# Altium PCB ZHUKONG.PcbDoc
Units mil, origin at the board's own origin, x right, y up, seen from the top; angles counter-clockwise.
Board outline 3784.65 x 1996.93 mil, 2 copper layers (Top Layer, Bottom Layer); 58 components, 46 nets, 206 pads, 8 vias.
Unrouted connection lines stored in the file: 3.
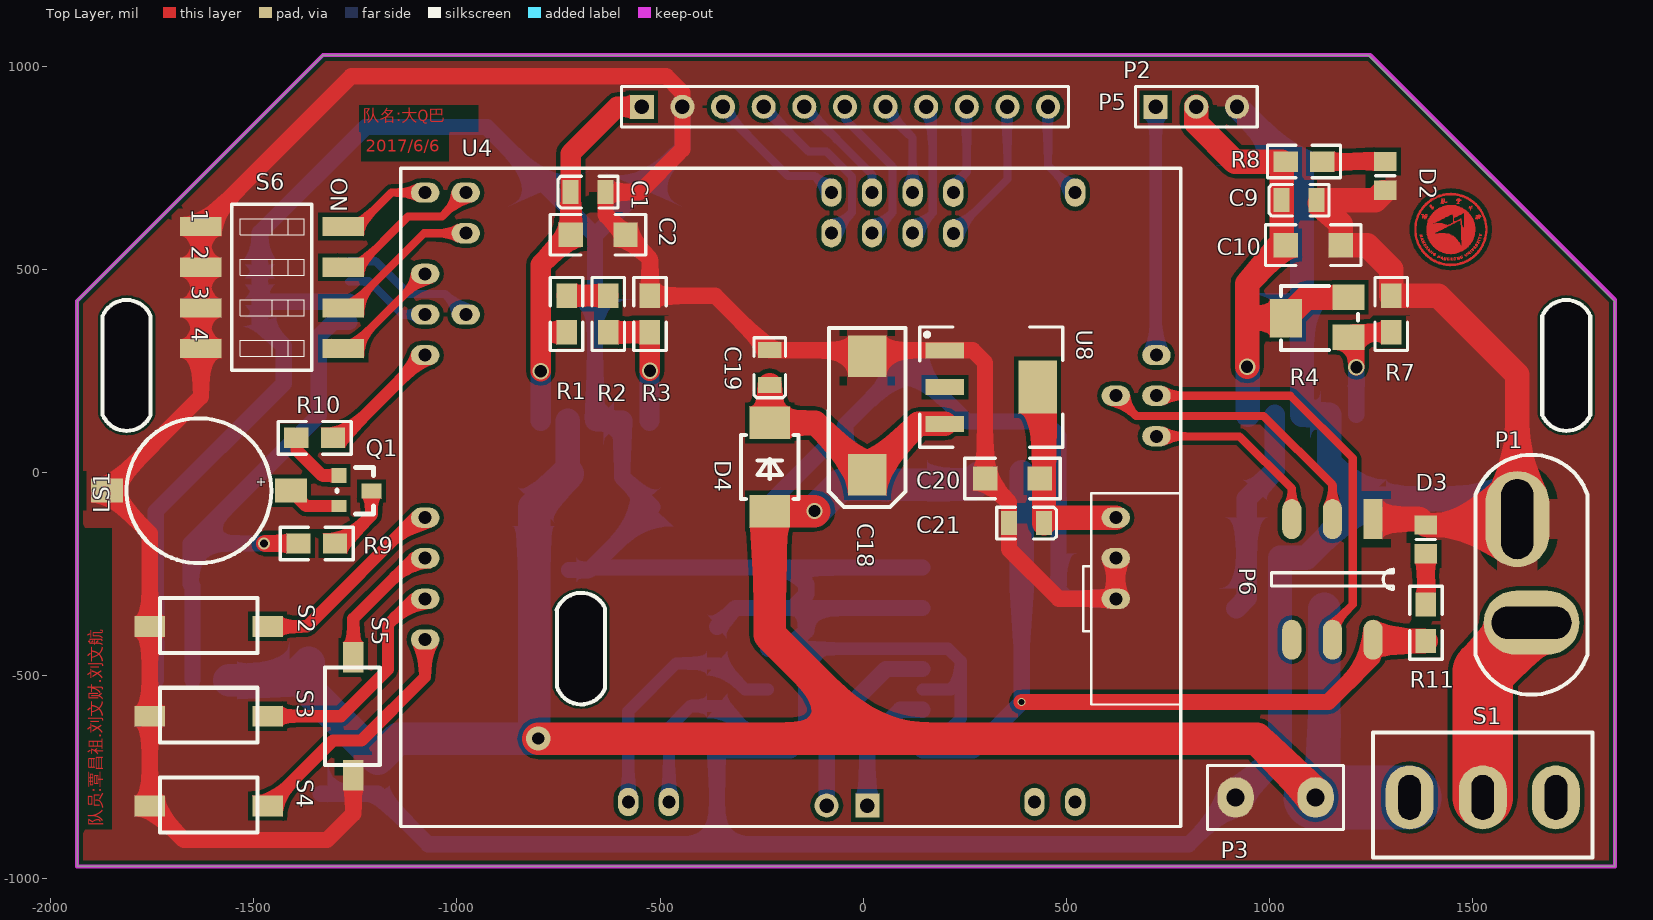
[diagram p0: Top Layer view]
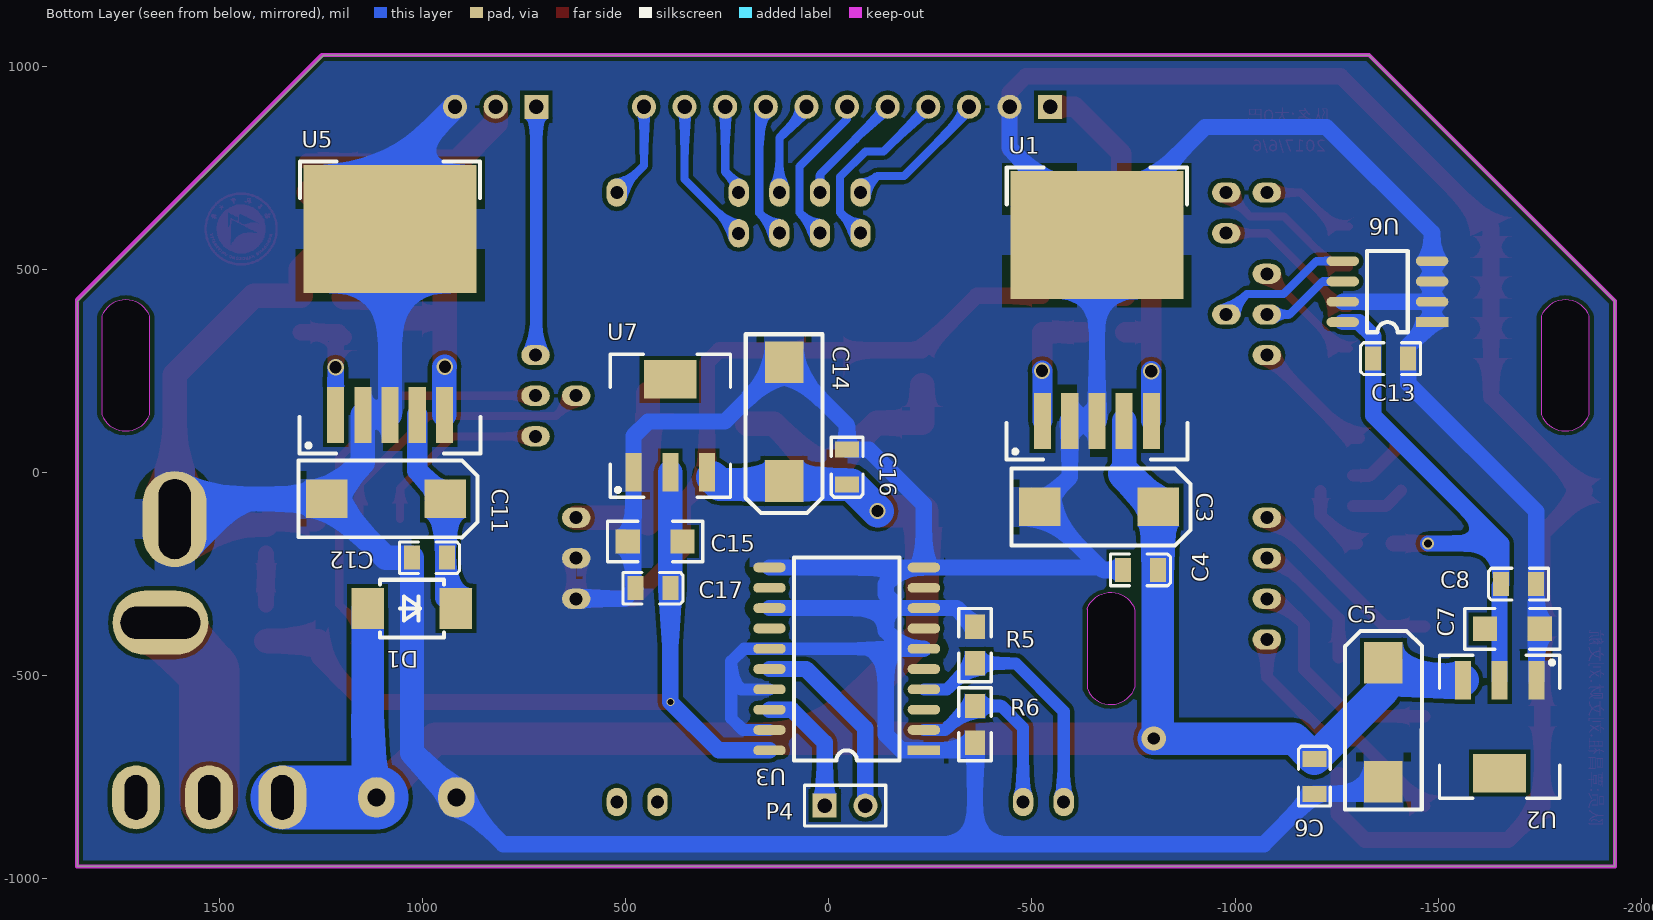
[diagram p1: Bottom Layer view, seen from below]
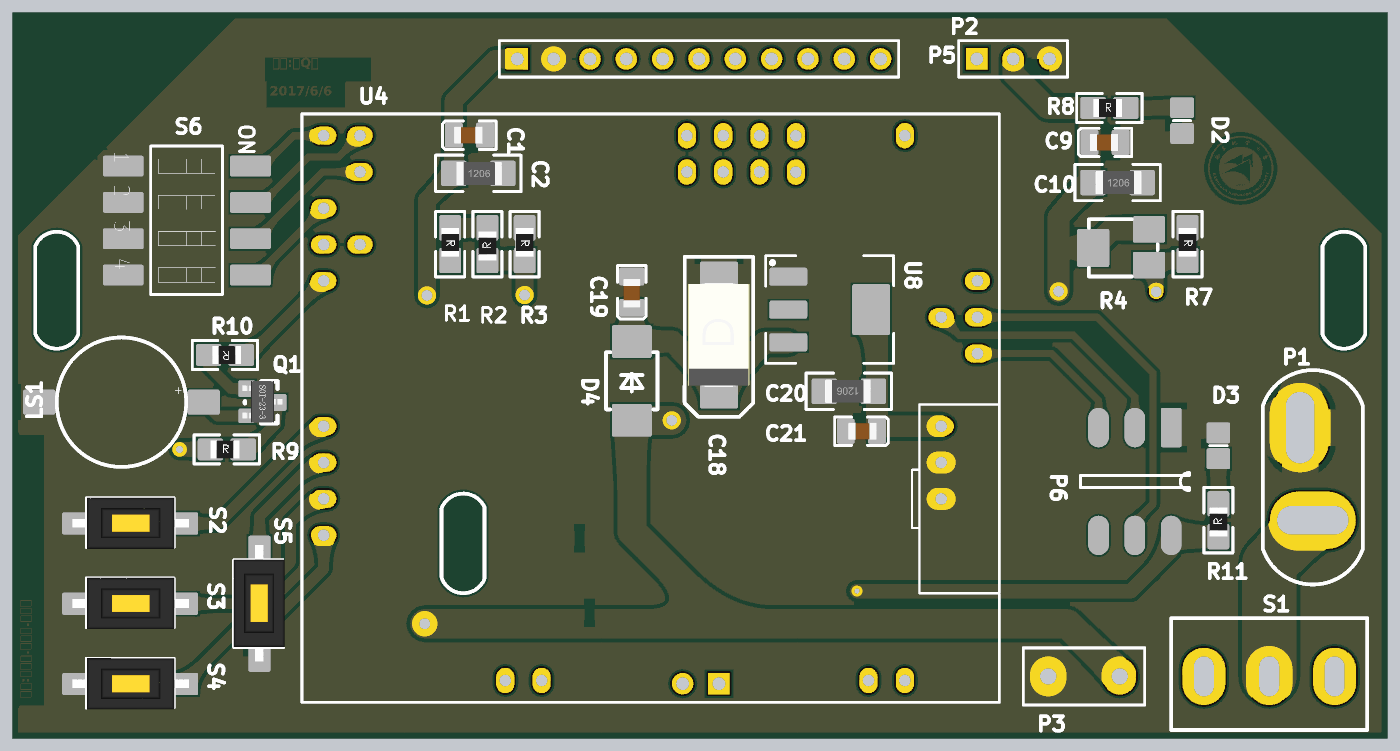
[diagram p2: 3D render of the assembled board from above, using the file's embedded part models]
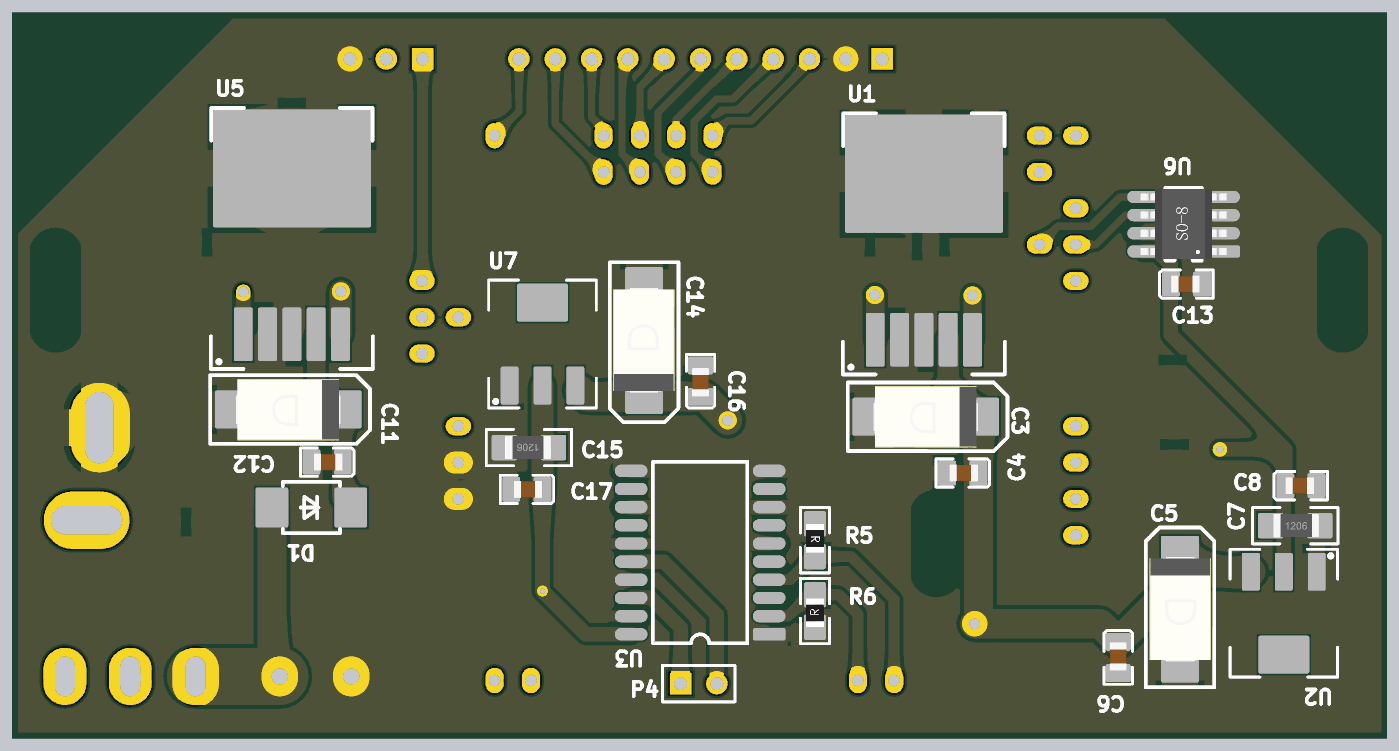
[diagram p3: 3D render of the assembled board from below, using the file's embedded part models]

## Layer stack, top to bottom
Top Solder: solder mask 0.4, Solder Resist, Dk 3.5
Top Layer: signal copper 1.4
Dielectric 1: dielectric 12.6, FR-4, Dk 4.8
Bottom Layer: signal copper 1.4
Bottom Solder: solder mask 0.4, Solder Resist, Dk 3.5

## Board outline
-1934.65,-970 1850,-970 1850,420.79 1849.21,420.79 1243.07,1026.93 -1329.61,1026.93 -1934.65,421.89
cut-out: -1871.85,141.57 -1871.85,385 -1872.11,385 cw(c-1813.06,360.39) -1754,385 -1753.74,385 -1753.74,141.57 cw(c-1812.8,166.18)
cut-out: -753.74,-527.72 -753.74,-338.99 -754.67,-338.99 cw(c-694.04,-360.91) -635,-335 -635.63,-335 -635.63,-531.65 cw(c-693.97,-508.13)
cut-out: 1671.46,141.57 1671.46,385 cw(c1730.51,360.39) 1789.57,385 1789.57,141.57 cw(c1730.51,166.18)

## Design rules (kind name [scope] priority, off if disabled: settings)
Clearance [All] p1: gap=10
HoleSize [All] p1: absolutevalues=TRUE maxlimit=500 minlimit=6 maxpercent=80.000 minpercent=20.000
MinimumSolderMaskSliver [All] p1: minsoldermaskwidth=2
PasteMaskExpansion [All] p1: expansion=5
PlaneClearance [All] p1: clearance=30
PlaneConnect [All] p1: planeconnectstyle=Relief reliefexpansion=30 reliefentries=4 reliefconductorwidth=100 reliefairgap=20
PolygonConnect [All] p1: connectstyle=Relief reliefconductorwidth=100 reliefentries=4 polygonreliefangle="90 Angle" airgapwidth=20
RoutingVias [All] p1: holewidth=15 width=20 viastyle="Through Hole" minholewidth=6 minwidth=6 maxholewidth=200 maxwidth=200
SilkToSilkClearance [All] p1: silktosilkclearance=0
SilkToSolderMaskClearance [IsPad] p1: minsilkscreentomaskgap=0 clearancetoexposedcopper=TRUE
SolderMaskExpansion [All] p1: expansion=5
Width GND [InNet('GND')] p1: maxlimit=200 minlimit=30 preferedwidth=100
Width power1 [InNet('NetC3_1')] p2: maxlimit=200 minlimit=40 preferedwidth=100
Width power [InNet('NetP1_1')] p3: maxlimit=200 minlimit=40 preferedwidth=150
Width [All] p4: maxlimit=196.85 minlimit=6 preferedwidth=20
23 further rules are at their usual default settings.

## Components (designator, comment, footprint, x,y, rotation, side; value= is the part's Value field where it differs from the comment)
C1 "Cap" C-0805 -720,690 r0 top
C2 "Cap Pol2" 1206 -720,585 r0 top
C3 "Cap Pol1" TANCAP -650,-85 r180 bottom
C4 "Cap" C-0805 -810,-240 r0 bottom
C5 "Cap Pol1" TANCAP -1365,-630 r90 bottom
C6 "Cap" C-0805 -1195,-705 r270 bottom
C7 "Cap Pol2" 1206 -1615,-385 r180 bottom
C8 "Cap" C-0805 -1655,-275 r180 bottom
C9 "Cap" C-0805 1030,670 r0 top
C10 "Cap Pol2" 1206 1040,559.57 r0 top
C11 "Cap Pol1" TANCAP 1105,-65 r180 bottom
C12 "Cap" C-0805 940,-210 r0 bottom
C13 "Cap" C-0805 -1340,280 r180 bottom
C14 "Cap Pol1" TANCAP 110,140 r270 bottom
C15 "Cap Pol2" 1206 360,-170 r0 bottom
C16 "Cap" C-0805 -45,-30 r90 bottom
C17 "Cap" C-0805 390,-285 r0 bottom
C18 "Cap Pol1" TANCAP 10,155 r270 top
C19 "Cap" C-0805 -230,215 r90 top
C20 "Cap Pol2" 1206 435,-15 r180 top
C21 "Cap" C-0805 445,-125 r180 top
D1 "SS54" DO214AA 1030,-335 r180 bottom
D2 "LED0" 6-0805_N 1285,730 r270 top
D3 "LED0" 6-0805_N 1385,-165 r90 top
D4 "SS14" DO214AA -230,10 r90 top
LS1 "Buzzer" min_bell -1635,-45 r180 top
P1 "Header 2" T型插头(公) 1645,-370 r90 top
P2 "Header 11" HDR1X11 -545,900 r0 top
P3 "Header 2" "接线柱 - min" 1015,-800 r180 top
P4 "Header 2" HDR1X2 10,-820 r180 bottom
P5 "Header 3" HDR1X3 720,900 r0 top
P6 "Header 3X2" SOP6贴片插针 1155,-265 r270 top
Q1 "NPN" SOT-23 -1170,40 r270 top
R1 "Res2" 0805 -730,395 r270 top
R2 "Res2" 0805 -627.5,385 r90 top
R3 "Res2" 0805 -525,395 r270 top
R4 "RES-ADJ" T-3224w 1060.06,379.74 r0 top
R5 "Res2" 0805 -360,-625 r90 bottom
R6 "Res2" 0805 -360,-420 r270 bottom
R7 "Res2" 0805 1300,395 r270 top
R8 "Res2" 0805 1080,765 r0 top
R9 "Res2" 0805 -1350,-175 r0 top
R10 "Res2" 0805 -1345,85 r180 top
R11 "Res2" 0805 1385,-375 r90 top
S1 "SW-SPDT" SWITCH_B 1525,-800 r0 top
S2 "SW-PB" 贴片开关 -1616,-379 r0 top
S3 "SW-PB" 贴片开关 -1616,-600 r0 top
S4 "SW-PB" 贴片开关 -1616,-821 r0 top
S5 "SW-PB" 贴片开关 -1255,-605 r90 top
S6 "SW DIP-4" SW-4P -1455,455 r270 top
U1 "LM2941" LM2941 -660,370 r180 bottom
U2 "AMS1117" AMS1117 -1651,-626 r0 bottom
U3 "SN74HC244" SO-20W -235,-686 r0 bottom
U4 "K60FX" K60_v3 -205,-75 r0 top locked
U5 "LM2941" LM2941 1080,385 r180 bottom
U6 "24C64" SO-8 -1485,370 r0 bottom
U7 "AMS1117" AMS1117 390,115 r180 bottom
U8 "SPX1117" AMS1117 315,210 r270 top

## Footprints (in the part's own frame and the unit in brackets; to place one, negate y for a bottom-side part, rotate by r counter-clockwise, add the part's x,y. Pads: shape width x height; smd on the part's side, far side on the other; paste and mask are expansions set on the pad)
6-0805_N [mm]
  rect 1.2x1.4 smd: 1(-0.9,0) 2(0.9,0)
  silkscreen extent 0,-0.6 0,0.6, body extent -1.07,-0.7 1.07,0.7, height 0.7
0805 [mil]
  rect 60x50 smd: 1(-40,0) 2(50,0)
  silkscreen extent -85,-40 95,40, body extent -39,-24 39,29, height 26
1206 [mil]
  rect 60x60 smd: 1(0,0) 2(135,0)
  silkscreen extent -50,-50 185,50, body extent 7,-32 133,32, height 23
AMS1117 [mm]
  rect 1x2.4 smd: 1(-2.3,-2.9) 2(0,-2.9) 3(2.3,-2.9)
  rect 3.3x2.4 smd: 2(0,2.9)
  silkscreen extent -3.76,-4.47 3.76,4.47, body extent -3.4,-1.9 3.4,1.9, height 3
C-0805 [mm]
  rect 1x1.5 smd: 1(0,0) 2(2.184,0)
  silkscreen extent -0.79,-0.99 2.96,0.99, body extent 0.02,-0.6 2.02,0.6, height 0.95
DO214AA [mil]
  rect 80x100 smd: 1(-105,0) 2(112,0)
  silkscreen extent -75,-71 82,71
HDR1X2 [mm] "Connector; Header; 2 Position"
  rect 1.5x1.5 hole 0.9: 1(0,0)
  round 1.5 hole 0.9: 2(2.54,0)
  silkscreen extent -1.27,-1.27 3.81,1.27
HDR1X3 [mm] "Connector; Header; 3 Position"
  rect 1.5x1.5 hole 0.9: 1(0,0)
  round 1.5 hole 0.9: 2(2.54,0) 3(5.08,0)
  silkscreen extent -1.27,-1.27 6.35,1.27
HDR1X11 [mm] "Connector; Header; 11 Position"
  rect 1.5x1.5 hole 0.9: 1(0,0)
  round 1.5 hole 0.9: 2(2.54,0) 3(5.08,0) 4(7.62,0) 5(10.16,0) 6(12.7,0) 7(15.24,0) 8(17.78,0) 9(20.32,0) 10(22.86,0) 11(25.4,0)
  silkscreen extent -1.27,-1.27 26.67,1.27
K60_v3 [mil]
  oval 50x70 hole 32: 7(-373.24,-736.23) 9(-273.24,-736.23) 27(626.76,-736.23) 29(726.76,-736.23) 63(726.77,763.78) 69(426.77,763.39) 70(426.77,663.39) 71(326.77,763.78) 72(326.77,663.78) 73(226.77,763.78) 74(226.77,663.78) 75(126.77,763.78) 76(126.77,663.78)
  oval 70x50 hole 32: 41(826.77,-236.22) 43(826.77,-136.22) 45(826.77,-36.22) 50(926.77,163.78) 51(826.77,263.78) 52(926.77,263.78) 54(926.77,363.78) 93(-773.23,763.78) 94(-873.23,763.78) 95(-773.23,663.78) 98(-873.23,563.78) 99(-773.23,463.78) 100(-873.23,463.78) 102(-873.23,363.78) 110(-873.23,-36.22) 112(-873.23,-136.22) 114(-873.23,-236.22) 116(-873.23,-336.22)
  silkscreen extent -933,-796 987,824
LM2941 [mm]
  rect 1.07x3.5 smd: 1(-3.4,-6.175) 2(-1.7,-6.175) 3(0,-6.175) 4(1.7,-6.175) 5(3.4,-6.175)
  rect 10.8x8 smd: 3(0,5.433)
  silkscreen extent -5.66,-8.6 5.66,9.65, body extent -5.21,-4.45 5.2,4.45, height 4.65
min_bell [mm]
  rect 2x1.5 smd: 1(-5.75,0) 2(5.75,0)
  silkscreen extent -4.53,-4.53 4.52,4.53
SO-8 [mil]
  rect 80x24 smd: 1(0,0)
  oval 80x24 smd: 2(0,-50) 3(0,-100) 4(0,-150) 5(220,-150) 6(220,-100) 7(220,-50) 8(220,0)
  silkscreen extent 60,-175 160,25, body extent -8,-171 228,21, height 67
SO-20W [mil]
  rect 80x24 smd: 1(1,-2)
  oval 80x24 smd: 2(1,-52) 3(1,-102) 4(1,-152) 5(1,-202) 6(1,-252) 7(1,-302) 8(1,-352) 9(1,-402) 10(1,-452) 11(381,-452) 12(381,-402) 13(381,-352) 14(381,-302) 15(381,-252) 16(381,-202) 17(381,-152) 18(381,-102) 19(381,-52) 20(381,-2)
  silkscreen extent 61,-477 321,23
SOP6贴片插针 [mm]
  rect 2.5x1.2 smd: 1(-3.81,2.54)
  oval 2.5x1.2 smd: 2(3.73,2.54) 3(-3.81,0) 4(3.73,0) 5(-3.81,-2.54) 6(3.73,-2.54)
  silkscreen extent -0.67,-3.81 0.6,3.81
SOT-23 [mil]
  rect 36x36 smd: 1(47.76,-120.28)
  rect 30x36 smd: 2(122.76,-120.28)
  rect 36x50 smd: 3(85.76,-40.28)
  silkscreen extent 28,-125 143,-35, body extent 27,-132 141,-22, height 47
SW-4P [mm]
  rect 1.2x2.6 smd: 1(-3.81,-4.45) 2(-1.27,-4.45) 3(1.27,-4.45) 4(3.81,-4.45) 5(3.81,4.45) 6(1.27,4.45) 7(-1.27,4.45) 8(-3.81,4.45)
  silkscreen extent -5.21,-2.53 5.17,2.49
SWITCH_B [mm]
  oval 3x4 hole 1.4 slot 2.8 at 90 deg: 1(-4.572,0) 2(0,0) 3(4.572,0)
  silkscreen extent -6.86,-3.75 6.86,4.06
T-3224w [mm]
  rect 2x1.6 smd: 1(3.4,-1.2) 3(3.4,1.3)
  rect 2x2.4 smd: 2(-0.5,0)
  silkscreen extent -0.8,-2 4,2
TANCAP [mm]
  rect 2.6x2.4 smd: 1(4.091,0) 2(-3.325,0)
  silkscreen extent -5.08,-2.41 6.1,2.39, body extent -3.27,-2.17 4.03,2.13, height 2.9
T型插头(公) [mm]
  oval 4x6 hole 2 slot 5 at 90 deg: 1(0,0)
  oval 6x4 hole 2 slot 5 at 0 deg: 2(6.477,0.889)
  silkscreen extent -4.5,-3.5 10.5,3.5
"接线柱 - min" [mil]
  oval 90x100 hole 45: 1(-98.43,0) 2(98.43,0)
  silkscreen extent -167,-79 167,79
贴片开关 [mm]
  rect 1.9x1.3 smd: 1(-3.556,0) 2(3.81,0)
  silkscreen extent -2.92,-1.65 3.17,1.78, body extent -3.91,-1.78 4.23,1.82, height 2.49

## Part data
C1 C4 C6 C8 C9 C12 C13 C16 C17 C19 C21: "Capacitor"
C2 C7 C10 C15 C20: "Polarized Capacitor (Axial)"
C3 C5 C11 C14 C18: "Polarized Capacitor (Radial)"
D1 D4: library part "Diode BAS16", "Silicon Switching Diode for High-Speed Switching"
D2 D3: "Typical INFRARED GaAs LED"
LS1: "Magnetic Transducer Buzzer"
P1 P3 P4: "Header, 2-Pin"
P2: "Header, 11-Pin"
P5: "Header, 3-Pin"
P6: "Header, 3-Pin, Dual row"
Q1: "NPN Bipolar Transistor"
R1 R2 R3 R5 R6 R7 R8 R9 R10 R11: "Resistor"
S1: "SPDT Subminiature Toggle Switch, Right Angle Mounting, Vertical Actuation"
S2 S3 S4 S5: "Switch"
S6: "编码开关"
U6: library part EEPROM_24C64

## Via types
v1: diameter 40, hole 30, Top Layer to Bottom Layer, 5 vias
v2: diameter 30, hole 20, Top Layer to Bottom Layer, 1 vias
v3: diameter 60, hole 30, Top Layer to Bottom Layer, 1 vias
v4: diameter 20, hole 15, Top Layer to Bottom Layer, 1 vias

## Nets (pads, with @x,y where several pads share a name; then routed paths per layer and width w, separated by ;. In a path a pad name is that pad's centre, name@x,y a point inside that pad or via, vN(x,y) a via of type N, cw(c..) or ccw(c..) an arc to the next point about the centre after c; other vN are vias at no path point)
GND: C1.2 C2.2 C3.2 C4.2 C5.2 C6.2 C7.2 C8.2 C9.2 C10.2 C11.2 C12.2 C13.2 C14.2 C15.2 C16.2 C17.2 C18.2 C19.2 C20.2 C21.2 D2.2 D3.2 LS1.2 P1.2 P2.2 P3.2 P5.3 P6.1 R3.1 R5.1 R6.1 R7.1 S2.1 S3.1 S4.1 S5.1 S6.1 S6.2 S6.3 S6.4 U1.2 U1.3 U2.1 U3.1 U3.6 U3.8 U3.10 U3.11 U3.13 U3.15 U3.17 U3.19 U4.41 U4.43 U5.2 U5.3 U6.1 U6.2 U6.3 U6.4 U6.7 U7.1 U8.1 | length 21164
  Top Layer w40: S5.1 -1255,-840 -1320,-905 -1672,-905 S4.1 S3.1 S2.1 -1756,-150.38 LS1.2 -1630.2,186.18 S6.4 S6.3 S6.2 S6.1 -1260.2,975 -485,975 -445,935 P2.2 -445,795 -550,690 C1.2 -634,634 C2.2 -525,525 R3.1 -364,435 C19.2 ; C19.2@-229.55,300.55 U8.1 269.45,300.55 300,270 C20.2 359,-74 C21.2 359,-189 481.22,-311.22 U4.41 U4.43
  Top Layer w60: P6.1@1265,-115 1370.43,-115 D3.2 P1.2@1595.43,-129.57 ; D2.2@1280.22,689.78 1260.43,670 1130,670 1123,663 1175,611 C10.2 1240.43,559.57 1300,500 R7.1 1415,435 1610,240 P1.2
  Bottom Layer w30: -140,-434 U3.15 209,-434 240,-465 240,-510 ; U3.19 211,-634 240,-605 240,-510 ; U3.17 216,-534 240,-510
  Bottom Layer w40: U2.1@-1741,-511.28 C8.2 -1741,-96 -1426,219 C13.2 -1426,311 U6.1 U6.2 ; C5.2@-1334.91,-791 C6.2 -1071,-915 -360,-915 ; U6.7 U6.2 ; C4.2 -674.09,-240 -668.09,-234 ; U1.3@-660,126.89 U1.3@-660,583.9 ; U1.2 -593.07,-11.02 C3.2 -668.09,-234 ; P2.2 -445,798.9 U1.3@-660,583.9 ; R6.1 -314,-334 U3.8 -174,-334 ; U3.6 -184,-434 ; U3.13 -140,-334 ; U3.11 -181,-234 ; U4.41 502.22,-311.22 C17.2 480.55,-280.45 U7.1 480.55,89.45 445,125 255.91,125 C14.2 -45,115.91 C16.2 -99,56 -234,-79 U3.10 ; P3.2 801.57,-915 -360,-915 ; U6.2 U6.3 U6.4 -1485,590 -1225,850 -926.1,850 U1.3@-660,583.9 ; -668.09,-234 U3.10 ; -360,-915 R5.1 -341,-684 U3.1 -179,-684 -140,-645 -140,-434 -184,-434 ; U3.10 -181,-234 ; -184,-434 -140,-390 -140,-334 ; -181,-234 -140,-275 -140,-300 -174,-334 ; -174,-334 -140,-334
  Bottom Layer w50: U1.3@-660,126.89 U1.2
  Bottom Layer w60: P3.2 1026,-690.57 C12.2 1090.91,-210 C11.2 ; P5.3 1080,740 1080,598.9 1080,141.89 U5.2 1146.93,23.98 C11.2 ; P1.2 1560,-65 C11.2
NetC1_1: C1.1 C2.1 P2.1 R1.2 U1.5 | length 975.2
  Top Layer w50: v1(-793.86,248.86) -793.86,511.14 C2.1 C1.1 -720,785 -605,900 P2.1 ; -793.86,345 R1.2
  Bottom Layer w50: U1.5 v1(-793.86,248.86)
NetC3_1: C3.1 C4.1 C5.1 C6.1 C14.1 C16.1 D1.1 D4.1 P3.1 S1.1 U1.4 U2.3 U7.3 | length 5651.7
  Top Layer w80: v3(-800,-655) 25,-655 ; v1(-120,-95) D4.1 -230,-400 25,-655 ; P3.1 968.43,-655 25,-655
  Bottom Layer w60: -726.93,-2.99 U1.4
  Bottom Layer w80: U2.3 -1407.89,-511.83 C5.1 -1365,-535 C6.1 -1145,-655 v3(-800,-655) -810,-645 C4.1 -810,-86.06 -726.93,-2.99 ; v1(-120,-95) -55,-30 C16.1 268.62,-30 U7.3@286.81,-11.81 ; P3.1 1135,-778.43 D1.1
  Bottom Layer w157.48: P3.1 S1.1
NetC7_1: C7.1 C8.1 C13.1 R9.1 U2.2 U6.8 | length 1333.5
  Top Layer w40: v2(-1475,-175) R9.1
  Bottom Layer w40: U2.2@-1651,-511.83 -1651,-279 C8.1 -1655,-175 ; v2(-1475,-175) -1655,-175 ; U6.8 -1305,370 -1340,335 C13.1 -1340,140 -1655,-175
NetC9_1: C9.1 C10.1 P5.2 R4.2 R4.3 R8.1 U5.5 | length 1217.5
  Top Layer w60: P5.2 820,860 915,765 1030,765 1030,559.57 945,464.57 945,375 ; v1(945,260) 945,375 ; R4.3 1091.55,430.92 R4.2 949.74,379.74 945,375
  Bottom Layer w60: v1(945,260) 946.14,258.86 U5.5
NetC11_1: C11.1 C12.1 D1.2 U5.4 | length 516.3
  Bottom Layer w50: D1.2 943.94,-309.06 C11.1 1013.07,4.13 U5.4
NetC15_1: C15.1 C17.1 P6.2 R11.1 U3.20 U7.2 | length 1939.7
  Top Layer w40: v4(390,-565) 1145,-565 1255,-455 P6.2
  Top Layer w60: P6.2@1258.15,-415 R11.1
  Bottom Layer w40: U3.20 271,-684 v4(390,-565) C17.1
  Bottom Layer w60: C17.1 U7.2@390,0.83
NetC18_1: C18.1 C19.1 D4.2 U8.3 | length 628.9
  Top Layer w60: C19.1 D4.2 -118.06,122 C18.1 135.51,119.45 U8.3
NetC20_1: C20.1 C21.1 U4.45 U8.2 | length 501.7
  Top Layer w60: U8.2@445,194.17 C21.1 458.78,-111.22 U4.45
NetD2_1: D2.1 R8.2 | length 154.6
  Top Layer w40: R8.2 D2.1@1284.57,765
NetD3_1: D3.1 R11.2 | length 124.6
  Top Layer w40: R11.2 D3.1
NetLS1_1: LS1.1 Q1.2 | length 134
  Top Layer w30: LS1.1 -1370.87,-82.76 Q1.2
NetP1_1: P1.1 S1.2 | length 479.7
  Top Layer w150: S1.2 1525,-490 P1.1
NetP2_3: P2.3 U4.75 | length 360.1
  Bottom Layer w20: P2.3 -345,890 -185,730 -119.45,730 U4.75